# KiCad board 4-ch-backplane.kicad_pcb (continued)
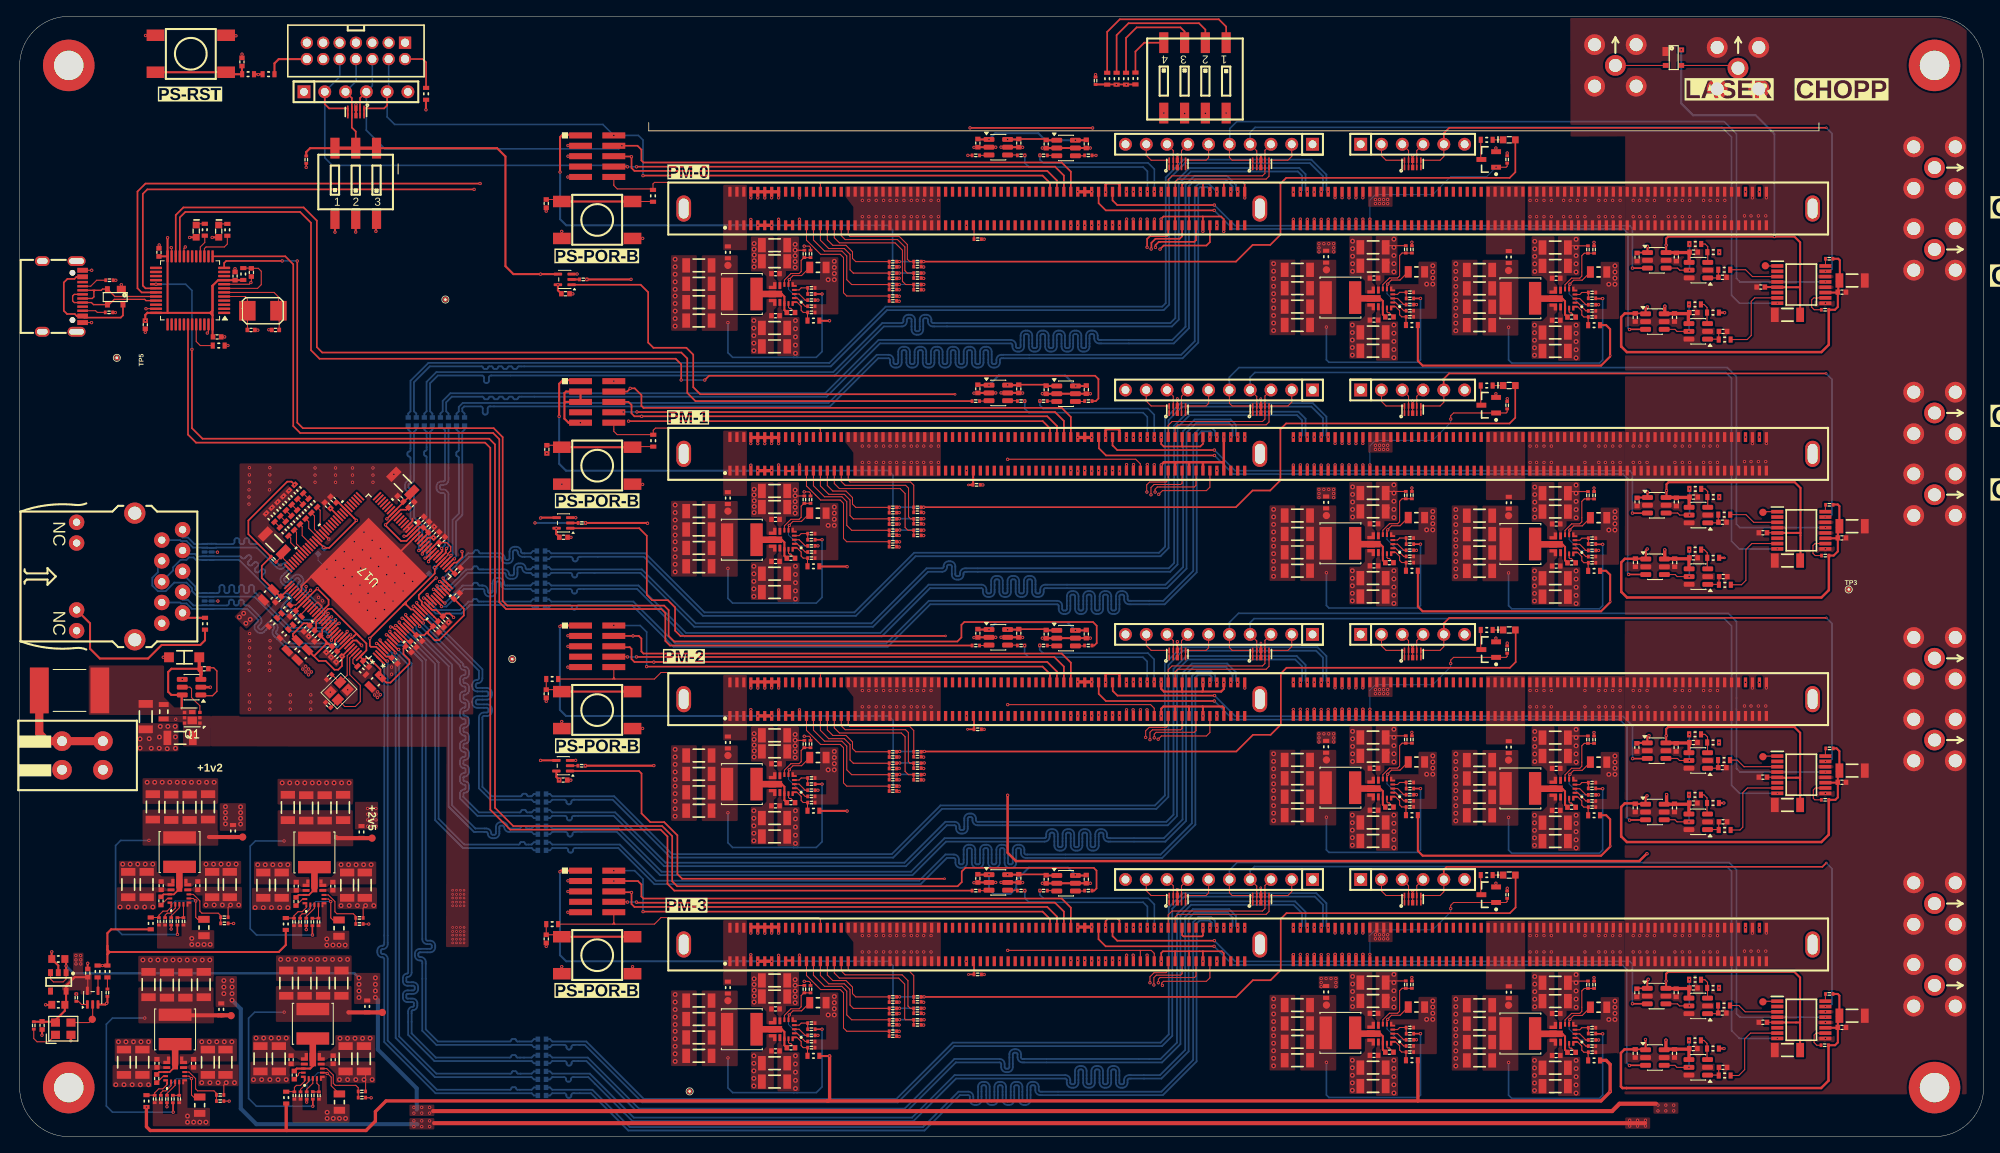
[diagram p0: board, top side]
## Routing (per net, layer and track width the routed paths; a pad name or vN(x,y) marks a point on that pad's centre or on a via; arc(x,y) is an arc through that point) (continued)
  Top Layer w0.25: 144.56,52.6 146.99,52.6 147.15,52.44 J11.72 ; 144.56,52.6 142.83,52.6 ; 144.56,52.6 144.6,52.56 v1(144.6,51.45) ; U52.5 C335.1 ; J11.65 141.2,52.58 141.21,52.6 ; U54.2 C341.1 ; 142.83,52.6 142.9,52.54 J11.67 ; 142.83,52.6 141.21,52.6 ; 144.52,54.43 146.82,54.43 147.15,54.76 v1(147.15,55.55) ; 144.52,54.43 142.04,54.43 ; 144.52,54.43 144.6,54.5 v1(144.6,55.55) ; U52.2 C337.1 ; 8.31,20.5 8.31,21.18 ; 141.21,52.6 139.76,52.6 139.5,52.33 v1(139.5,51.45) ; J11.210 142.05,54.44 142.04,54.43 ; 3.88,16.11 3.19,16.11 ; U58.2 C349.1 ; C338.1 U53.5 U53.2 ; C336.1 126.73,120.89 ; C348.1 126.73,30.98 ; 3.91,21.9 3.91,22.58 ; 142.04,54.43 139.82,54.43 139.5,54.75 v1(139.5,55.61) ; C139.1 2.74,12.42 ; C344.1 126.73,60.95 ; D4.8 D4.3 v1(41.09,126.19) ; 66.57,89.72 66.7,89.85 J15.5 J15.3 66.77,91.12 66.57,90.92 66.57,89.72 ; 66.57,89.72 66.57,87.8 67.07,87.3 v1(68.53,87.3) ; U55.2 U55.5 C342.1 ; C350.1 U59.5 U59.2 ; C340.1 126.73,90.84 ; C70.1 4.72,20.92 U10.2 ; U13.3 10.49,16.16 10.72,16.4 R68.1 ; U57.2 U57.5 C346.1 ; U56.5 C343.1 ; U56.2 C345.1 ; U58.5 C347.1 ; U54.5 C339.1 ; 6.27,12.43 6.27,11.74
  Top Layer w0.3: 134.4,85.48 134.4,86.38 134.25,86.53 132.85,86.53 132.7,86.38 132.7,85.42 ; J7.201 134.4,116.45 134.25,116.6 132.85,116.6 132.7,116.45 v1(132.7,115.5) ; 134.4,55.6 134.4,56.5 134.25,56.65 132.85,56.65 132.7,56.5 J11.199 ; J9.69 144.6,82.45 144.57,82.47 ; 142.85,82.47 141.3,82.47 ; 142.85,82.47 144.57,82.47 ; 142.85,82.47 142.9,82.43 J9.67 ; 141.3,82.47 139.83,82.47 v1(139.5,82.15) ; 141.3,82.47 141.2,82.37 J9.65 ; v3(147.15,85.55) 147.15,85.55 J9.72 147.15,82.35 147.02,82.47 144.57,82.47 ; U1.2 v1(23.31,54.97)
  Top Layer w0.4: 161.61,52.26 161.61,51.45 ; 89.35,55.61 92.75,55.61 ; 162.45,52.25 162.45,51.44 ; v1(161.6,22.29) 161.6,21.45 ; J7.148 J7.152 ; v1(129.3,115.55) v1(131,115.55) ; v1(164.14,22.28) 164.14,21.46 ; 160.75,52.26 160.75,51.45 ; v1(155.65,22.26) 155.65,21.45 ; 163.3,52.24 163.3,51.43 ; 89.35,85.5 92.75,85.5 ; v1(162.45,22.28) 162.45,21.45 ; v1(129.3,55.61) v1(131,55.61) ; 89.35,25.64 92.75,25.64 ; v1(163.3,22.27) 163.3,21.45 ; v1(160.75,22.29) 160.75,21.45 ; 158.19,52.26 158.19,51.44 ; 158.19,22.29 158.19,21.47 ; v1(129.3,85.5) v1(131,85.5) ; 164.14,52.25 164.14,51.44 ; v1(129.3,25.64) v1(131,25.64)
  Bottom Layer w0.12: v1(24.22,65.5) 24.22,65.5 D29.8 D29.3 ; v1(48.03,67.9) 48.3,68.17 49.38,68.17 C169.1 ; v1(24.18,71.47) 24.15,71.5 D28.8 D28.3 ; v1(37.55,69.4) 36.47,70.48 C187.1
  vias: v1(3.18,16.12) v1(3.92,22.6) v1(6.25,11.73) v1(6.92,17.45) v1(8.33,21.2) v1(10.63,16.31) v1(11.69,100.78) v1(11.75,104.72) v1(12.43,104.17) v1(15.38,134.66) v1(15.35,98.37) v1(15.44,101.25) v1(17.06,109.04) v1(17.55,58.62) v1(25.05,97.8) v1(25.45,96.75) v1(25.61,4.34) v1(26.31,106.15) v1(26.43,134.63) v1(27.18,132.38) v1(28.07,81.8) v1(28.07,80.92) v1(28.07,80.05) v1(28.03,79.1) v1(28.03,78.22) v1(28.03,77.35) v1(28.1,61.53) v1(28.1,60.65) v1(28.1,59.78) v1(28.05,58.78) v1(28.05,57.9) v1(28.05,57.03) v1(28.07,54.03) v1(28.07,53.15) v1(28.07,52.28) v1(29.1,98.62) v1(30.11,76.21) v1(30.45,98.67) v1(30.57,81.8) v1(30.57,80.92) v1(30.57,80.05) v1(30.53,79.1) v1(30.6,60.65) v1(30.6,59.78) v1(30.55,58.78) v1(30.55,57.9) v1(30.55,57.03) v1(30.57,54.03) v1(30.57,53.15) v1(30.57,52.28) v1(30.81,76.91) v1(31.51,77.61) v1(32.21,78.31) v1(32.91,79.01) v1(33.07,54.03) v1(33.07,53.15) v1(33.07,52.28) v1(35.32,61.17) v1(35.57,54.03) v1(35.57,53.15) v1(35.57,52.28) v1(36.1,81.78) v1(36.1,80.9) v1(36.1,80.03) v1(36.53,65.95) v1(37,65.53) v1(37.46,59.24) v1(37.96,54.36) v1(38.06,58.64) v1(38.6,81.78) v1(38.6,80.9) v1(38.6,80.03) v1(38.55,68.4) v1(38.62,70.47) v1(38.68,58.04) v1(39.55,67.4) v1(39.68,71.53) v1(39.62,69.47) v1(40.09,54.64) v1(40.51,66.38) v1(40.68,81.78) v1(40.68,80.9) v1(40.68,80.03) v1(40.68,70.53) v1(40.62,68.47) v1(40.9,72.75) v1(41.5,65.38) v1(41.59,67.45) v1(41.68,69.53) v1(41.9,71.75) v1(42.07,73.92) v1(42.5,64.38) v1(42.57,66.45) v1(42.64,68.5) v1(42.66,26) v1(42.9,70.75) v1(42.96,4.75) v1(43.07,72.92) v1(43.18,81.78) v1(43.18,80.9) v1(43.18,80.03) v1(43.5,63.38) v1(43.57,65.45) v1(43.62,67.5) v1(43.86,69.72) v1(44.07,71.92) v1(44.57,64.45) v1(44.62,66.5) v1(44.85,68.72) v1(45.45,57.42) v1(45.45,56.55) v1(45.62,65.5) v1(45.73,81) v1(45.85,67.72) v1(46.03,69.9) v1(46.85,66.72) v1(47.03,68.9) v1(50.66,74.6) v1(52.43,62.9) v1(64.35,113.18) v1(64.35,53.24) v1(64.35,23.27) v1(64.43,83.55) v1(66.24,110.7) v1(66.26,79.79) v1(66.24,50.77) v1(66.24,20.79) v1(67.01,121.2) v1(67.01,119.89) v1(66.99,117.35) v1(67.01,61.26) v1(67.01,59.95) v1(66.99,57.41) v1(67.01,31.29) v1(67.01,29.98) v1(66.99,27.44) v1(67.37,73.28) v1(67.35,43.59) v1(67.6,103.06) v1(67.96,75.69) v1(67.94,46.01) v1(68.12,105.49) v1(74.9,20.78) v1(76.12,79.76) v1(76.12,49.92) v1(76.13,109.85) v1(89.35,114.81) v1(89.35,84.76) v1(89.35,54.87) v1(89.35,24.9) v1(90.2,114.8) v1(90.2,84.75) v1(90.2,54.87) v1(90.2,24.89) v1(91.05,114.8) v1(91.05,84.75) v1(91.05,54.86) v1(91.05,24.89) v1(91.89,114.82) v1(91.89,84.77) v1(91.89,54.88) v1(91.89,24.9) v1(92.74,114.81) v1(92.74,112.19) v1(92.74,84.76) v1(92.74,82.14) v1(92.74,54.87) v1(92.75,52.18) v1(92.74,24.89) v1(92.74,22.17) v1(95.29,114.8) v1(95.29,112.19) v1(95.29,84.75) v1(95.29,82.14) v1(95.29,54.86) v1(95.29,52.19) v1(95.29,24.89) v1(95.29,22.19) v1(102.97,114.5) v1(102.97,112.5) v1(102.97,84.45) v1(102.97,82.45) v1(102.97,54.56) v1(102.97,52.56) v1(102.97,24.59) v1(102.97,22.59) v1(103.78,114.5) v1(103.78,112.5) v1(103.78,84.45) v1(103.78,82.45) v1(103.78,54.56) v1(103.78,52.56) v1(103.78,24.59) v1(103.78,22.59) v1(104.68,114.5) v1(104.68,112.5) v1(104.68,84.45) v1(104.68,82.45) v1(104.68,54.56) v1(104.68,52.56) v1(104.68,24.59) v1(104.68,22.59) v1(105.57,114.5) v1(105.57,112.5) v1(105.57,84.45) v1(105.57,82.45) v1(105.57,54.56) v1(105.57,52.56) v1(105.57,24.59) v1(105.57,22.59) v1(106.37,114.5) v1(106.37,112.5) v1(106.37,84.45) v1(106.37,82.45) v1(106.37,54.56) v1(106.37,52.56) v1(106.37,24.58) v1(106.37,22.58) v1(107.17,114.5) v1(107.17,112.5) v1(107.17,84.45) v1(107.17,82.45) v1(107.17,54.56) v1(107.17,52.56) v1(107.17,24.58) v1(107.17,22.58) v1(107.47,106.36) v1(107.47,104.97) v1(107.47,103.57) v1(107.47,102.16) v1(107.47,76.31) v1(107.47,74.92) v1(107.47,73.52) v1(107.47,72.11) v1(107.47,46.42) v1(107.47,45.03) v1(107.47,43.63) v1(107.47,42.22) v1(107.47,16.45) v1(107.47,15.05) v1(107.47,13.66) v1(107.47,12.24) v1(108.07,114.5) v1(108.07,112.5) v1(108.07,84.45) v1(108.07,82.45) v1(108.07,54.56) v1(108.07,52.56) v1(108.07,24.58) v1(108.07,22.58) v1(108.97,114.5) v1(108.97,112.5) v1(108.97,84.45) v1(108.97,82.45) v1(108.97,54.56) v1(108.97,52.56) v1(108.97,24.58) v1(108.97,22.58) v1(109.68,114.5) v1(109.68,112.5) v1(109.68,84.45) v1(109.68,82.45) v1(109.68,54.56) v1(109.68,52.56) v1(109.68,24.59) v1(109.68,22.59) v1(110.47,114.5) v1(110.47,112.5) v1(110.47,106.35) v1(110.47,104.95) v1(110.47,103.56) v1(110.47,84.45) v1(110.47,82.45) v1(110.47,76.3) v1(110.47,74.9) v1(110.47,73.51) v1(110.47,54.56) v1(110.47,52.56) v1(110.47,46.41) v1(110.47,45.01) v1(110.47,43.62) v1(110.47,24.59) v1(110.47,22.59) v1(110.47,16.43) v1(110.47,15.04) v1(110.47,13.64) v1(111.38,114.5) v1(111.38,112.5) v1(111.38,84.45) v1(111.38,82.45) v1(111.38,54.56) v1(111.38,52.56) v1(111.38,24.59) v1(111.38,22.59) v1(112.28,114.5) v1(112.28,112.5) v1(112.28,84.45) v1(112.28,82.45) v1(116.62,120.97) v1(116.62,90.92) v1(116.62,61.03) v1(116.62,31.06) v1(117.7,79.7) v1(117.86,109.75) v1(117.86,49.81) v1(117.86,19.83) v1(119.28,121) v1(119.28,90.95) v1(119.28,61.06) v1(119.28,31.09) v1(119.93,121) v1(119.93,90.95) v1(119.93,61.07) v1(119.93,31.09) v1(122.56,120.98) v1(122.56,90.93) v1(122.56,61.05) v1(122.56,31.07) v1(124.97,120.9) v1(124.97,90.85) v1(124.97,60.96) v1(124.97,30.99) v1(128.45,111.45) v1(128.45,81.45) v1(128.45,51.51) v1(128.45,21.54) v1(130.15,111.45) v1(130.15,81.45) v1(130.15,51.51) v1(130.15,21.54) v1(130.83,120.9) v1(130.83,90.85) v1(130.83,60.96) v1(130.83,30.99) v1(131.85,111.5) v1(131.85,81.45) v1(131.85,51.56) v1(131.85,21.59) v1(132.7,85.45) v1(132.7,55.56) v1(133.56,111.5) v1(133.55,81.45) v1(133.56,51.56) v1(133.56,21.59) v1(135.28,112.2) v1(135.26,82.18) v1(135.26,52.2) v1(135.28,22.19) v1(136.07,112.2) v1(136.12,82.19) v1(136.06,52.2) v1(136.07,22.19) v1(136.95,115.55) v1(136.97,112.2) v1(136.95,85.5) v1(136.95,55.61) v1(136.97,52.2) v1(136.95,25.64) v1(137.78,112.2) v1(137.81,82.2) v1(137.76,52.2) v1(137.78,22.19) v1(138.68,112.2) v1(138.64,82.17) v1(139.5,115.55) v1(139.48,112.2) v1(139.5,25.64) v1(144.6,110.71) v1(147.14,110.7) v1(147.14,25.56) v1(149.71,114.8) v1(149.7,85.55) v1(149.71,54.86) v1(149.69,25.57) v1(155.65,112.18) v1(155.65,85.5) v1(155.65,82.13) v1(155.65,52.24) v1(158.2,115.52) v1(158.2,112.19) v1(158.2,85.55) v1(158.2,82.14) v1(158.2,55.58) v1(158.2,52.26) v1(158.2,25.6) v1(158.2,22.28) v1(160.74,114.82) v1(160.75,112.2) v1(160.74,84.77) v1(160.75,82.15) v1(160.74,54.89) v1(160.75,52.26) v1(160.74,24.91) v1(161.6,114.83) v1(161.6,112.2) v1(161.6,84.78) v1(161.6,82.15) v1(161.6,54.89) v1(161.6,52.27) v1(161.6,24.92) v1(162.45,114.82) v1(162.45,112.19) v1(162.45,84.77) v1(162.45,82.14) v1(162.45,54.88) v1(162.45,52.25) v1(162.45,24.9) v1(163.29,114.81) v1(163.3,112.19) v1(163.29,84.76) v1(163.3,82.14) v1(163.29,54.87) v1(163.3,52.25) v1(163.29,24.9) v1(164.14,114.82) v1(164.14,112.2) v1(164.14,84.77) v1(164.14,82.15) v1(164.14,54.88) v1(164.14,52.26) v1(164.14,24.91) v1(170.13,109.37) v1(170.13,79.32) v1(170.13,49.44) v1(170.13,19.46) v1(180.4,120.9) v1(180.4,90.85) v1(180.4,60.96) v1(180.4,30.99) v1(181.79,120.29) v1(181.79,90.24) v1(181.79,60.35) v1(181.79,30.38) v1(184.57,114.5) v1(184.57,112.5) v1(184.57,84.45) v1(184.57,82.45) v1(184.57,54.56) v1(184.57,52.56) v1(184.57,24.59) v1(184.57,22.59) v1(185.38,114.5) v1(185.38,112.5) v1(185.38,84.45) v1(185.38,82.45) v1(185.38,54.56) v1(185.38,52.56) v1(185.38,24.59) v1(185.38,22.59) v1(186.27,114.5) v1(186.27,112.5) v1(186.27,84.45) v1(186.27,82.45) v1(186.27,54.56) v1(186.27,52.56) v1(186.27,24.59) v1(186.27,22.59) v1(187.18,114.5) v1(187.18,112.5) v1(187.18,84.45) v1(187.18,82.45) v1(187.18,54.56) v1(187.18,52.56) v1(187.18,24.59) v1(187.18,22.59) v1(188.68,114.5) v1(188.68,112.5) v1(189.48,114.5) v1(189.48,112.5) v1(190.38,114.5) v1(190.38,112.5) v1(191.27,114.5) v1(191.27,112.5) v1(191.27,84.45) v1(191.27,82.45) v1(191.27,54.56) v1(191.27,52.56) v1(191.27,24.59) v1(191.27,22.59) v1(192.39,109.36) v1(192.39,79.31) v1(192.39,49.42) v1(192.39,19.45) v1(192.98,114.5) v1(192.98,112.5) v1(192.98,84.45) v1(192.98,82.45) v1(192.98,54.56) v1(192.98,52.56) v1(192.98,24.59) v1(192.98,22.59) v1(193.77,114.5) v1(193.77,112.5) v1(193.77,84.45) v1(193.77,82.45) v1(193.77,54.56) v1(193.77,52.56) v1(193.77,24.59) v1(193.77,22.59) v1(194.68,114.5) v1(194.68,112.5) v1(194.68,84.45) v1(194.68,82.45) v1(194.68,54.56) v1(194.68,52.56) v1(194.68,24.59) v1(194.68,22.59) v1(195.57,114.5) v1(195.57,112.5) v1(195.57,84.45) v1(195.57,82.45) v1(195.57,54.56) v1(195.57,52.56) v1(195.57,24.59) v1(195.57,22.59) v1(197.18,114.5) v1(197.18,112.5) v1(197.18,84.45) v1(197.18,82.45) v1(197.18,54.56) v1(197.18,52.56) v1(197.18,24.59) v1(197.18,22.59) v1(197.98,114.5) v1(197.98,112.5) v1(197.98,84.45) v1(197.98,82.45) v1(197.98,54.56) v1(197.98,52.56) v1(197.98,24.59) v1(197.98,22.59) v1(198.88,114.5) v1(198.88,112.5) v1(198.88,84.45) v1(198.88,82.45) v1(198.88,54.56) v1(198.88,52.56) v1(198.88,24.59) v1(198.88,22.59) v1(199.77,114.5) v1(199.77,112.5) v1(199.77,24.59) v1(199.77,22.59) v1(201.48,114.5) v1(201.48,112.5) v1(202.27,114.5) v1(202.27,112.5) v1(202.27,84.45) v1(202.27,82.45) v1(202.27,54.56) v1(202.27,52.56) v1(202.27,24.59) v1(202.27,22.59) v1(203.18,114.5) v1(203.18,112.5) v1(203.18,84.45) v1(203.18,82.45) v1(203.18,54.56) v1(203.18,52.56) v1(203.18,24.59) v1(203.18,22.59) v1(204.07,114.5) v1(204.07,112.5) v1(204.07,84.45) v1(204.07,82.45) v1(204.07,54.56) v1(204.07,52.56) v1(204.07,24.59) v1(204.07,22.59) v1(205.77,114.5) v1(205.77,112.5) v1(205.77,84.45) v1(205.77,82.45) v1(205.77,54.56) v1(205.77,52.56) v1(205.77,24.59) v1(205.77,22.59) v1(206.57,114.5) v1(206.57,112.5) v1(206.57,84.45) v1(206.57,82.45) v1(206.57,54.56) v1(206.57,52.56) v1(206.57,24.59) v1(206.57,22.59) v1(207.48,114.5) v1(207.48,112.5) v1(207.48,84.45) v1(207.48,82.45) v1(207.48,54.56) v1(207.48,52.56) v1(207.48,24.59) v1(207.48,22.59) v1(208.38,114.5) v1(208.38,112.5) v1(210.77,112.6) v1(210.77,82.55) v1(210.77,52.66) v1(210.77,22.69) v1(211.57,112.6) v1(211.57,82.55) v1(211.57,52.66) v1(211.57,22.69) v1(211.75,114.8) v1(211.75,84.75) v1(211.75,54.87) v1(211.75,24.89) v1(212.48,112.6) v1(212.48,82.55) v1(212.48,52.66) v1(212.48,22.69) v1(213.38,112.6) v1(213.38,82.55) v1(213.38,52.66) v1(213.38,22.69) v1(213.45,114.82) v1(213.45,84.77) v1(213.45,54.88) v1(213.45,24.9) v1(220.66,101.92) v1(220.66,71.88) v1(220.66,41.99) v1(220.66,15.26) v1(220.66,13.96) v1(220.66,12.01) v2(12.07,11.6) v2(12.59,33.33) v2(12.99,11.6) v2(13.51,33.33) v2(13.91,11.6) v2(14.43,33.33) v2(14.71,48.64) v2(14.71,47.52) v2(14.83,11.6) v2(15.06,21.61) v2(15.35,33.33) v2(15.58,43.33) v2(15.75,11.6) v2(15.83,48.67) v2(15.98,21.61) v2(16.08,47.49) v2(16.27,33.33) v2(16.5,43.33) v2(16.9,21.61) v2(17.08,48.87) v2(17.06,47.49) v2(17.18,50.17) v2(17.42,43.33) v2(17.82,21.61) v2(18.11,50.17) v2(18.03,47.44) v2(18.34,43.33) v2(18.74,21.61) v2(19.01,50.17) v2(19.03,48.89) v2(19.03,47.49) v2(19.26,43.33) v2(19.56,21.61) v2(20.08,43.33) v2(20.48,21.61) v2(20.51,2.52) v2(20.51,1.77) v2(21,43.33) v2(21.03,24.25) v2(21.03,23.5) v2(21.26,1.77) v2(21.4,21.61) v2(21.78,23.5) v2(21.92,43.33) v2(22.01,1.77) v2(22.32,21.61) v2(22.25,11.6) v2(22.53,23.5) v2(22.77,33.33) v2(22.76,1.77) v2(22.84,43.33) v2(23.17,11.6) v2(23.28,23.5) v2(23.24,21.61) v2(23.69,33.33) v2(23.76,43.33) v2(24.09,11.6) v2(24.61,33.33) v2(25.01,11.6) v2(25.53,33.33) v2(25.93,11.6) v2(26.45,33.33) v2(28.9,12.06) v2(29.09,33.26) v2(29.81,12.06) v2(30.01,33.26) v2(30.74,12.06) v2(30.93,33.26) v2(31.66,12.06) v2(31.85,33.26) v2(31.9,21.67) v2(32.08,43.26) v2(32.57,12.06) v2(32.77,33.26) v2(32.81,21.67) v2(33,43.26) v2(33.74,21.67) v2(33.92,43.26) v2(34.66,21.67) v2(34.84,43.26) v2(35.57,21.67) v2(35.76,43.26) v2(36.4,21.67) v2(36.58,43.26) v2(37.31,21.67) v2(37.5,43.26) v2(37.53,24.17) v2(37.53,23.42) v2(37.57,2.97) v2(37.57,2.22) v2(38.28,23.42) v2(38.24,21.67) v2(38.32,2.22) v2(38.42,43.26) v2(39.03,23.42) v2(39.07,2.22) v2(39.16,21.67) v2(39.15,12.03) v2(39.27,33.26) v2(39.34,43.26) v2(39.78,23.42) v2(39.82,2.22) v2(40.07,21.67) v2(40.06,12.03) v2(40.19,33.26) v2(40.26,43.26) v2(40.99,12.03) v2(41.11,33.26) v2(41.91,12.03) v2(42.03,33.26) v2(42.82,12.03) v2(42.95,33.26) v2(80.1,107.3) v2(80.1,106.38) v2(80.1,105.46) v2(80.1,104.54) v2(80.1,103.62) v2(80.1,102.8) v2(80.1,101.88) v2(80.1,100.96) v2(80.1,100.04) v2(80.1,99.12) v2(80.1,77.25) v2(80.1,76.33) v2(80.1,75.41) v2(80.1,74.49) v2(80.1,73.57) v2(80.1,72.75) v2(80.1,71.83) v2(80.1,70.91) v2(80.1,69.99) v2(80.1,69.07) v2(80.1,47.36) v2(80.1,46.44) v2(80.1,45.52) v2(80.1,44.6) v2(80.1,43.68) v2(80.1,42.86) v2(80.1,41.94) v2(80.1,41.02) v2(80.1,40.1) v2(80.1,39.18) v2(80.1,17.38) v2(80.1,16.46) v2(80.1,15.54) v2(80.1,14.62) v2(80.1,13.7) v2(80.1,12.88) v2(80.1,11.96) v2(80.1,11.04) v2(80.1,10.12) v2(80.1,9.2) v2(89.72,99.8) v2(89.72,98.88) v2(89.72,97.96) v2(89.72,97.04) v2(89.72,96.12) v2(89.72,69.75) v2(89.72,68.83) v2(89.72,67.91) v2(89.72,66.99) v2(89.72,66.07) v2(89.72,39.86) v2(89.72,38.94) v2(89.72,38.02) v2(89.72,37.1) v2(89.72,36.18) v2(89.72,9.88) v2(89.72,8.96) v2(89.72,8.04) v2(89.72,7.12) v2(89.72,6.2) v2(89.75,109.22) v2(89.75,108.52) v2(89.77,107.82) v2(89.77,107.12) v2(89.75,106.37) v2(89.75,79.17) v2(89.75,78.47) v2(89.77,77.77) v2(89.77,77.07) v2(89.75,76.32) v2(89.75,49.28) v2(89.75,48.58) v2(89.77,47.88) v2(89.77,47.18) v2(89.75,46.43) v2(89.75,19.3) v2(89.75,18.6) v2(89.77,17.9) v2(89.77,17.2) v2(89.75,16.45) v2(98.8,104.8) v2(98.8,74.75) v2(98.8,44.86) v2(98.8,14.88) v2(99.55,107.05) v2(99.55,106.3) v2(99.55,105.55) v2(99.55,104.8) v2(99.55,77) v2(99.55,76.25) v2(99.55,75.5) v2(99.55,74.75) v2(99.55,47.11) v2(99.55,46.36) v2(99.55,45.61) v2(99.55,44.86) v2(99.55,17.13) v2(99.55,16.38) v2(99.55,15.63) v2(99.55,14.88) v2(153.24,106.76) v2(153.24,105.84) v2(153.24,104.92) v2(153.24,104) v2(153.24,103.08) v2(153.24,102.26) v2(153.24,101.34) v2(153.24,100.42) v2(153.24,99.5) v2(153.24,98.58) v2(153.24,76.71) v2(153.24,75.79) v2(153.24,74.87) v2(153.24,73.95) v2(153.24,73.03) v2(153.24,72.21) v2(153.24,71.29) v2(153.24,70.37) v2(153.24,69.45) v2(153.24,68.53) v2(153.24,46.82) v2(153.24,45.9) v2(153.24,44.98) v2(153.24,44.06) v2(153.24,43.14) v2(153.24,42.32) v2(153.24,41.4) v2(153.24,40.48) v2(153.24,39.56) v2(153.24,38.64) v2(153.24,16.84) v2(153.24,15.92) v2(153.24,15) v2(153.24,14.08) v2(153.24,13.16) v2(153.24,12.34) v2(153.24,11.42) v2(153.24,10.5) v2(153.24,9.58) v2(153.24,8.66) v2(162.89,109.51) v2(162.89,108.59) v2(162.89,107.67) v2(162.89,106.75) v2(162.89,105.83) v2(162.86,99.26) v2(162.86,98.34) v2(162.86,97.42) v2(162.86,96.5) v2(162.86,95.58) v2(162.89,79.46) v2(162.89,78.54) v2(162.89,77.62) v2(162.89,76.7) v2(162.89,75.78) v2(162.86,69.21) v2(162.86,68.29) v2(162.86,67.37) v2(162.86,66.45) v2(162.86,65.53) v2(162.89,49.57) v2(162.89,48.65) v2(162.89,47.73) v2(162.89,46.81) v2(162.89,45.89) v2(162.86,39.32) v2(162.86,38.4) v2(162.86,37.48) v2(162.86,36.56) v2(162.86,35.64) v2(162.89,19.59) v2(162.89,18.67) v2(162.89,17.75) v2(162.89,16.83) v2(162.89,15.91) v2(162.86,9.34) v2(162.86,8.42) v2(162.86,7.5) v2(162.86,6.58) v2(162.86,5.66) v2(171.94,104.26) v2(171.94,74.21) v2(171.94,44.32) v2(171.94,14.34) v2(172.69,106.51) v2(172.69,105.76) v2(172.69,105.01) v2(172.69,104.26) v2(172.69,76.46) v2(172.69,75.71) v2(172.69,74.96) v2(172.69,74.21) v2(172.69,46.57) v2(172.69,45.82) v2(172.69,45.07) v2(172.69,44.32) v2(172.69,16.59) v2(172.69,15.84) v2(172.69,15.09) v2(172.69,14.34) v2(175.5,106.74) v2(175.5,105.82) v2(175.5,104.9) v2(175.5,103.98) v2(175.5,103.06) v2(175.5,102.24) v2(175.5,101.32) v2(175.5,100.4) v2(175.5,99.48) v2(175.5,98.56) v2(175.5,76.69) v2(175.5,75.77) v2(175.5,74.85) v2(175.5,73.93) v2(175.5,73.01) v2(175.5,72.19) v2(175.5,71.27) v2(175.5,70.35) v2(175.5,69.43) v2(175.5,68.51) v2(175.5,46.8) v2(175.5,45.88) v2(175.5,44.96) v2(175.5,44.04) v2(175.5,43.12) v2(175.5,42.3) v2(175.5,41.38) v2(175.5,40.46) v2(175.5,39.54) v2(175.5,38.62) v2(175.5,16.82) v2(175.5,15.9) v2(175.5,14.98) v2(175.5,14.06) v2(175.5,13.14) v2(175.5,12.32) v2(175.5,11.4) v2(175.5,10.48) v2(175.5,9.56) v2(175.5,8.64) v2(185.12,99.24) v2(185.12,98.32) v2(185.12,97.4) v2(185.12,96.48) v2(185.12,95.56) v2(185.12,69.19) v2(185.12,68.27) v2(185.12,67.35) v2(185.12,66.43) v2(185.12,65.51) v2(185.12,39.3) v2(185.12,38.38) v2(185.12,37.46) v2(185.12,36.54) v2(185.12,35.62) v2(185.12,9.32) v2(185.12,8.4) v2(185.12,7.48) v2(185.12,6.56) v2(185.12,5.64) v2(185.15,109.49) v2(185.15,108.57) v2(185.15,107.65) v2(185.15,106.73) v2(185.15,105.81) v2(185.15,79.44) v2(185.15,78.52) v2(185.15,77.6) v2(185.15,76.68) v2(185.15,75.76) v2(185.15,49.55) v2(185.15,48.63) v2(185.15,47.71) v2(185.15,46.79) v2(185.15,45.87) v2(185.15,19.57) v2(185.15,18.65) v2(185.15,17.73) v2(185.15,16.81) v2(185.15,15.89) v2(194.2,104.24) v2(194.2,74.19) v2(194.2,44.3) v2(194.2,14.32) v2(194.95,106.49) v2(194.95,105.74) v2(194.95,104.99) v2(194.95,104.24) v2(194.95,76.44) v2(194.95,75.69) v2(194.95,74.94) v2(194.95,74.19) v2(194.95,46.55) v2(194.95,45.8) v2(194.95,45.05) v2(194.95,44.3) v2(194.95,16.57) v2(194.95,15.82) v2(194.95,15.07) v2(194.95,14.32)
/TOP_LEVEL_IO/BOARD_ID_0: length 221
  Top Layer w0.12: v1(137.6,48.82) 137.6,49.62 138.03,50.05 140.1,50.05 140.35,50.3 140.35,51.47 ; v1(137.75,78.82) 137.72,78.85 137.72,79.7 138.08,80.05 140.1,80.05 140.35,80.3 140.35,81.47 ; 140.35,21.47 140.35,20.3 140.1,20.05 138.63,20.05 138.13,19.55 v1(138.13,18.83)
  Top Layer w0.2: J7.64 140.35,110.27 140.2,110.12 138.12,110.12 137.78,109.77 v1(137.78,108.75)
  In1.Cu w0.2: v1(147.43,125.17) 147.43,126 146.7,126.72 128,126.72 126.03,124.75 126.03,110.88 127.62,109.27 137.25,109.27 v1(137.78,108.75) 137.78,107.1 137.22,106.55 132.88,106.55 131.93,105.6 131.93,89.4 131.57,89.05 127.45,89.05 126.12,87.72 126.12,80.4 127.7,78.82 v1(137.75,78.82) 137.75,76.9 137.25,76.4 132.82,76.4 131.92,75.5 131.92,59.4 131.57,59.05 127.45,59.05 126.12,57.72 126.12,50.4 127.7,48.82 v1(137.6,48.82) 137.6,47.12 136.95,46.47 132.65,46.47 131.93,45.75 131.93,29.4 131.57,29.05 127.45,29.05 126.12,27.72 126.12,20.03 127.32,18.82 138.13,18.82 v1(138.13,18.83)
/TOP_LEVEL_IO/BOARD_ID_1: length 223.9
  Top Layer w0.12: v1(138.6,18.55) 138.6,19.45 138.9,19.75 141.88,19.75 142.05,19.93 142.05,21.47 142.05,21.47 ; 142.05,81.47 142.05,81.47 142.05,79.93 141.88,79.75 138.63,79.75 138.25,79.38 v1(138.25,78.5) ; v1(138.12,48.55) 138.12,49.45 138.43,49.75 141.88,49.75 142.05,49.93 142.05,51.47 142.05,51.47
  Top Layer w0.2: J7.66 142.05,111.45 142.05,110.1 141.75,109.8 138.8,109.8 138.3,109.3 138.3,108.57 v1(138.27,108.55)
  In1.Cu w0.2: v1(144.9,125.15) 144.9,125.52 144.2,126.22 128.12,126.22 126.53,124.62 126.53,111.1 127.75,109.88 137.93,109.88 138.3,109.5 138.3,108.57 v1(138.27,108.55) 138.27,106.65 137.75,106.12 133.07,106.12 132.32,105.38 132.32,89.15 131.82,88.65 127.82,88.65 126.68,87.5 126.68,80.47 127.88,79.28 138.07,79.28 138.25,79.1 v1(138.25,78.5) 138.25,76.7 137.57,76.03 133.07,76.03 132.32,75.27 132.32,59.15 131.82,58.65 127.82,58.65 126.67,57.5 126.67,50.47 127.75,49.4 137.75,49.4 138.12,49.03 v1(138.12,48.55) 138.12,46.78 137.4,46.05 133,46.05 132.32,45.38 132.32,29.15 131.82,28.65 127.82,28.65 126.68,27.5 126.68,20.25 127.57,19.35 138.38,19.35 138.6,19.12 v1(138.6,18.55)
/TOP_LEVEL_IO/BOARD_ID_2: length 225.4
  Top Layer w0.12: 139.15,18.88 139.15,18.85 ; 139.15,18.88 139.15,18.78 ; 139.15,18.88 139.15,19.25 139.35,19.45 143.55,19.45 143.75,19.65 143.75,21.47 ; v1(138.75,78.83) 138.75,79.17 139.03,79.45 143.55,79.45 143.75,79.65 143.75,81.47 ; 143.75,51.47 143.75,49.65 143.55,49.45 138.88,49.45 138.65,49.22 v1(138.65,48.78)
  Top Layer w0.2: J7.68 143.75,109.62 143.55,109.42 139.2,109.42 138.8,109.02 v1(138.8,108.75)
  In1.Cu w0.2: v1(139.15,18.83) 139.15,19.57 138.95,19.78 127.78,19.78 127.12,20.42 127.12,27.35 127.95,28.17 131.97,28.17 132.72,28.92 132.72,45.07 133.28,45.62 137.7,45.62 138.65,46.57 v1(138.65,48.78) 138.65,49.45 138.23,49.88 127.92,49.88 127.12,50.67 127.12,57.35 128.02,58.25 132.05,58.25 132.7,58.9 132.7,75.05 133.25,75.6 138.3,75.6 138.75,76.05 v1(138.75,78.83) 138.75,79.28 138.32,79.7 128.1,79.7 127.12,80.67 127.12,87.35 128.03,88.25 132.05,88.25 132.65,88.85 132.65,105 133.38,105.72 138.35,105.72 138.8,106.17 v1(138.8,108.75) 138.8,110.1 138.55,110.35 127.88,110.35 126.97,111.25 126.97,124.47 128.28,125.77 141.73,125.77 v1(142.38,125.12)
/TOP_LEVEL_IO/BOARD_ID_3: length 228.2
  Top Layer w0.12: v1(139.2,78.55) 139.65,79 145.03,79 145.45,79.42 145.45,81.47 ; 145.45,21.47 145.45,19.42 145.03,19 139.78,19 139.55,18.78 139.55,18.6 v1(139.65,18.5) ; 145.45,51.47 145.45,49.42 145.03,49 139.53,49 v1(139.12,48.6)
  Top Layer w0.2: v1(139.35,108.52) 139.8,108.97 145.02,108.97 145.45,109.4 J7.70
  In1.Cu w0.2: v1(139.82,125.17) 139.8,125.15 128.3,125.15 127.45,124.3 127.45,111.6 128.22,110.82 138.95,110.82 139.41,110.36 139.41,108.59 v1(139.35,108.52) 139.34,108.51 139.34,105.79 138.88,105.32 133.6,105.32 133.1,104.82 133.1,88.65 132.3,87.85 128.3,87.85 127.6,87.15 127.6,80.82 128.3,80.12 138.88,80.12 139.25,79.75 139.25,78.6 v1(139.2,78.55) 139.2,75.65 138.75,75.2 133.47,75.2 133.1,74.82 133.1,58.65 132.25,57.8 128.25,57.8 127.6,57.15 127.6,50.82 128.05,50.37 138.48,50.37 139.12,49.72 v1(139.12,48.6) 139.1,48.57 139.1,45.55 138.7,45.15 133.43,45.15 133.1,44.82 133.1,28.65 132.18,27.72 128.18,27.72 127.6,27.15 127.6,20.82 128.22,20.2 139.05,20.2 139.65,19.6 v1(139.65,18.5)
